# KiCad board usb_power_board.kicad_pcb (continued)
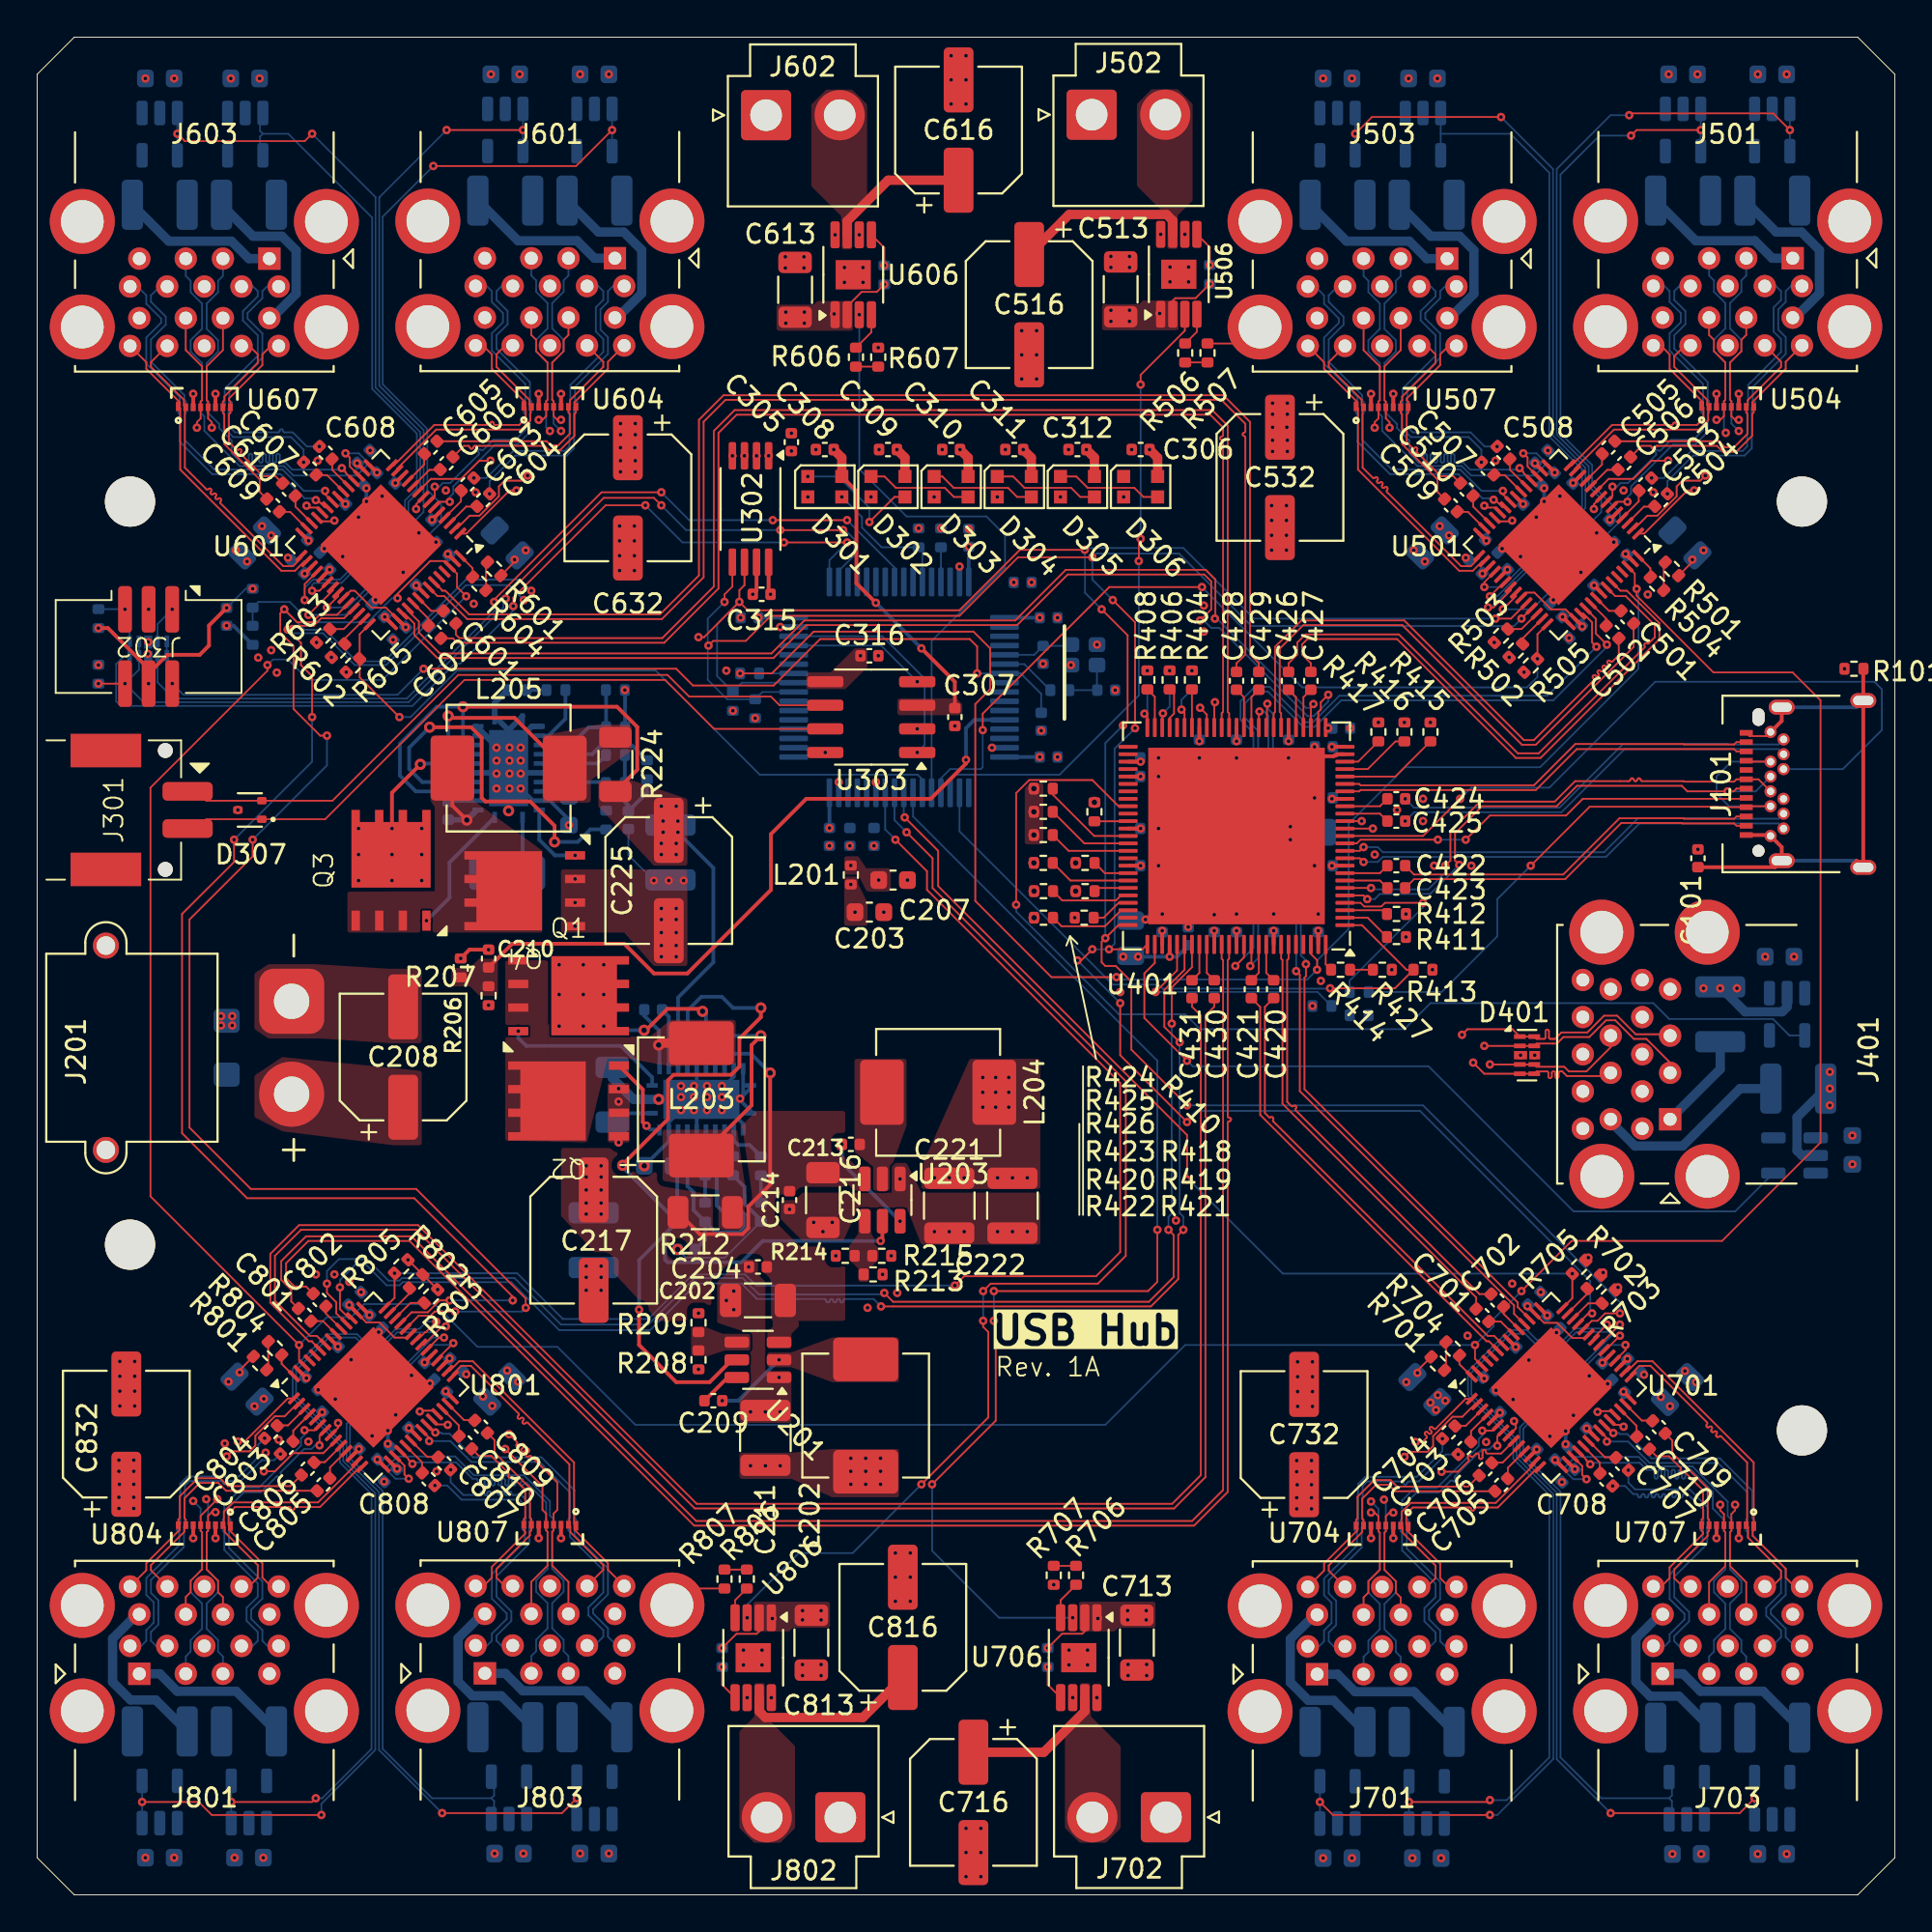
[diagram p0: board, top side]
## Routing (per net, layer and track width the routed paths; a pad name or vN(x,y) marks a point on that pad's centre or on a via; arc(x,y) is an arc through that point) (continued)
  Bottom w0.095: v1(16.3,32.7) 16.3,33.1 17.17,33.97 17.65,33.97 18.81,32.81 19.51,32.81 19.68,32.98 25.52,32.98 28.1,30.4 33,30.4 35.51,32.91 37.91,32.91 38.75,32.08 42.41,32.08 arc(42.46,32.05) 42.48,32 42.48,31.96 arc(42.5,31.91) 42.55,31.89 42.59,31.89 arc(42.64,31.91) 42.67,31.96 42.67,32 arc(42.69,32.05) 42.74,32.08 42.78,32.08 arc(42.83,32.05) 42.85,32 42.85,31.96 arc(42.87,31.91) 42.92,31.89 42.96,31.89 arc(43.01,31.91) 43.04,31.96 43.04,32 arc(43.06,32.05) 43.11,32.08 43.15,32.08 arc(43.2,32.05) 43.22,32 43.22,31.96 arc(43.24,31.91) 43.29,31.89 43.33,31.89 arc(43.38,31.91) 43.41,31.96 43.41,32 arc(43.43,32.05) 43.48,32.08 45.03,32.08 v1(45.43,31.67) ; v1(61.7,35.8) 61.7,36.5 61.5,36.7 v1(61.5,45.9)
/20gbps hub/D_{4}-: length 71.4
  Top w0.095: v1(15.6,32.9) 15.6,32.4 16.1,31.9 16.1,31.3 U801.46 ; U401.82 62.16,49.94 61.07,48.85 v1(61.07,46.9) ; v1(45.6,32.4) 46.07,31.92 59.85,31.92 61.18,33.25 61.18,35.53 v1(60.9,35.8)
  Bottom w0.095: v1(45.6,32.4) 45.53,32.33 38.85,32.33 37.98,33.2 35.4,33.2 32.9,30.7 28.2,30.7 25.7,33.2 19.63,33.2 19.49,33.06 18.91,33.06 17.75,34.22 16.25,34.22 15.6,33.58 v1(15.6,32.9) ; v1(61.07,46.9) 61.07,36.67 60.9,36.5 v1(60.9,35.8)
/20gbps hub/NRST: length 35
  Top w0.095: U401.1 71.31,52.2 73.71,49.8 R413.2 73.09,48.8 v1(69.6,48.8)
  Bottom w0.095: 49.65,59.25 49.65,57.25 57.9,49 60.37,49 60.58,48.78 69.58,48.78
/20gbps hub/PF3: length 2.1
  Top w0.095: U401.44 R404.2
/20gbps hub/PF4: length 2.4
  Top w0.095: v1(61.6,63.8) 61.76,63.64 U401.45
  Bottom w0.095: v1(61.6,63.8) 61.6,64.33 R405.2
/20gbps hub/PF6: length 2.2
  Top w0.095: R406.2 61.2,64.65 61.2,63.59 60.96,63.35 U401.47
/20gbps hub/PF7: length 2.2
  Top w0.095: U401.48 60.56,63.56
  Bottom w0.095: R407.2 60.96,63.96 v1(60.6,63.6)
/20gbps hub/PF8: length 2.2
  Top w0.095: U401.49 60.16,64.49 R408.2
/20gbps hub/PF9: length 2.2
  Top w0.095: U401.50 59.76,63.44 59.6,63.6
  Bottom w0.095: R409.2 59.76,63.74 v1(59.61,63.58)
/20gbps hub/PF18: length 1.8
  Top w0.095: U401.61 58.72,57.79 R410.2
/20gbps hub/PF20: length 4.4
  Top w0.095: R423.2 55.62,54.6 U401.69
/20gbps hub/PF21: length 2
  Top w0.095: U401.68 57.47,55 R418.2
/20gbps hub/PF22: length 1.9
  Top w0.095: U401.70 57.09,54.2 R419.2
/20gbps hub/PF23: length 4.4
  Top w0.095: R420.2 55.18,53.53 58.07,53.53 58.34,53.8 U401.71
/20gbps hub/PF24: length 2.2
  Top w0.095: U401.72 58.21,53.4 57.41,52.6 R421.2
/20gbps hub/PF25: length 4.6
  Top w0.095: U401.73 58.34,53 57.49,52.14 55.14,52.14 R422.2
/20gbps hub/PF30: length 2.7
  Top w0.095: U401.2 71.62,52.6 R411.2
/20gbps hub/PF31: length 2.3
  Top w0.095: R412.2 72.46,53 U401.3
/20gbps hub/PRT_CTL_{A}: length 59.6
  Top w0.095: U401.59 58.21,58.6 56.8,60.01 53.4,60.01 52.7,59.31 v1(52.7,53.3)
  Bottom w0.095: U402.4 94.32,46.26 93.44,47.15 87.85,47.15 87,48 75,48 73.6,46.6 62.6,46.6 61.8,47.4 58.23,47.4 52.7,52.93 v1(52.7,53.3)
/20gbps hub/PRT_CTL_{B}: length 43.3
  Top w0.095: 60.2,51.12 U401.77 60.16,50.16 59.6,49.6 59.6,47.2 v1(61.9,44.9)
  Bottom w0.095: v1(61.9,44.9) 62.2,44.6 74.9,44.6 82.71,36.79 91.4,36.79 U403.4
/20gbps hub/QTX_{1}+: length 2.1
  Top w0.095: U401.91 65.76,49.63 C421.2
/20gbps hub/QTX_{1}-: length 2.1
  Top w0.095: C420.2 66.16,49.63 U401.92
/20gbps hub/QTX_{2}+: length 2.2
  Top w0.095: U401.29 68.16,64.47 C427.2
/20gbps hub/QTX_{2}-: length 2.2
  Top w0.095: U401.30 67.76,64.47 C426.2
/20gbps hub/QTX_{3}+: length 2.2
  Top w0.095: C429.2 65.36,64.47 U401.36
/20gbps hub/QTX_{3}-: length 2.2
  Top w0.095: C428.2 64.96,64.47 U401.37
/20gbps hub/QTX_{4}+: length 2.1
  Top w0.095: C431.2 62.56,49.63 U401.83
/20gbps hub/QTX_{4}-: length 2.1
  Top w0.095: C430.2 62.96,49.63 U401.84
/20gbps hub/QUTX_{A}+: length 2.4
  Top w0.095: C423.2 72.28,54.6 U401.7
/20gbps hub/QUTX_{A}-: length 2.4
  Top w0.095: U401.8 72.28,55 C422.2
/20gbps hub/QUTX_{B}+: length 2.4
  Top w0.095: C425.2 72.28,58.2 U401.16
/20gbps hub/QUTX_{B}-: length 2.4
  Top w0.095: C424.2 72.28,58.6 U401.17
/20gbps hub/RX_{1}+: length 30
  Top w0.095: U401.32 66.96,63.61 66.89,63.68 66.89,67.08 68.16,68.35 73.49,68.35 79.93,61.91 80.67,61.91 85.94,67.18 C501.1
/20gbps hub/RX_{1}-: length 30
  Top w0.095: U401.33 66.56,63.61 66.64,63.68 66.64,67.18 68.05,68.6 73.59,68.6 80.03,62.16 80.57,62.16 83.78,65.37 arc(83.8,65.42) 83.78,65.48 83.75,65.51 arc(83.73,65.56) 83.75,65.61 83.78,65.64 arc(83.83,65.66) 83.88,65.64 83.91,65.61 arc(83.96,65.59) 84.02,65.61 84.04,65.63 arc(84.06,65.69) 84.04,65.74 84.01,65.77 arc(83.99,65.82) 84.01,65.87 84.04,65.9 arc(84.09,65.92) 84.14,65.9 84.17,65.87 arc(84.22,65.85) 84.28,65.87 84.3,65.9 arc(84.32,65.95) 84.3,66 84.27,66.03 arc(84.25,66.08) 84.27,66.14 84.3,66.16 arc(84.35,66.18) 84.4,66.16 84.43,66.13 arc(84.49,66.11) 84.54,66.13 84.56,66.16 arc(84.59,66.21) 84.56,66.26 84.53,66.29 arc(84.51,66.34) 84.53,66.4 84.56,66.42 arc(84.61,66.45) 84.66,66.42 84.7,66.39 arc(84.75,66.37) 84.8,66.39 85.14,66.73 C502.1
/20gbps hub/RX_{2}+: length 68.8
  Top w0.095: C601.1 22.54,67.84 22.73,67.65 33.65,67.65 36.43,70.42 36.43,78.8 37.55,79.92 63.25,79.92 64.09,79.09 64.09,63.68 64.16,63.61 U401.39
/20gbps hub/RX_{2}-: length 68.8
  Top w0.095: U401.40 63.76,63.61 63.84,63.68 63.84,78.24 arc(63.82,78.29) 63.76,78.32 63.75,78.32 arc(63.7,78.34) 63.68,78.39 63.68,78.43 arc(63.7,78.48) 63.75,78.5 63.76,78.5 arc(63.82,78.52) 63.84,78.57 63.84,78.99 63.15,79.67 37.65,79.67 36.68,78.7 36.68,70.32 33.75,67.4 22.62,67.4 22.39,67.64 C602.1
/20gbps hub/RX_{3}+: length 24
  Top w0.095: C701.1 77.46,32.16 67.04,42.59 67.04,50.32 66.96,50.39 U401.94
/20gbps hub/RX_{3}-: length 24
  Top w0.095: C702.1 77.64,32.34 67.75,42.22 arc(67.73,42.28) 67.75,42.33 67.77,42.34 arc(67.79,42.4) 67.77,42.45 67.74,42.47 arc(67.69,42.5) 67.63,42.47 67.62,42.46 arc(67.57,42.44) 67.52,42.46 67.29,42.69 67.29,50.32 67.36,50.39 U401.95
/20gbps hub/RX_{4}+: length 90.6
  Top w0.095: U401.86 63.76,50.39 63.84,50.32 63.84,21.79 62.17,20.12 35.47,20.12 20.15,35.45 14.47,35.45 13.14,34.12 13.14,33.11 13.68,32.57 13.68,31.95 C801.1
/20gbps hub/RX_{4}-: length 90.6
  Top w0.095: C802.1 14.48,32.75 13.85,32.75 13.4,33.2 13.4,34 14.6,35.2 20.05,35.2 35.37,19.88 62.28,19.88 64.09,21.69 64.09,41.57 arc(64.11,41.62) 64.16,41.65 64.19,41.65 arc(64.24,41.67) 64.27,41.72 64.27,41.76 arc(64.24,41.81) 64.19,41.83 64.16,41.83 arc(64.11,41.85) 64.09,41.91 64.09,50.32 64.16,50.39 U401.87
/20gbps hub/SMB-CLK: length 218.8
  Top w0.09: v1(85.2,31.3) 84.4,31.3 84,30.9 83.69,30.9 U701.38
  Top w0.095: U601.38 16.14,68.9 15.2,68.9 14.8,68.5 14,68.5 v1(13.3,69.2) 13.09,68.99 13.09,67.95 13.8,67.24 13.8,63.84 15.24,62.4 v1(15.6,62.4) ; v1(57.3,69.2) 58.7,67.8 58.7,63.2 v1(58.45,62.95) ; v1(56.39,72.41) 56.39,72.4 52.9,72.4 49.65,69.15 38.25,69.15 v1(37.8,69.6) ; v1(61.9,42.5) 58.9,45.5 58.9,49.16 58.06,50 57.5,50 57.3,50.2 57.3,51.3 v1(57.5,51.5) 58.2,52.2 U401.75 ; v1(37.8,69.6) 35.9,67.7 v1(35.6,67.7) ; v1(37.8,69.6) 37.8,70.22 38.07,70.5 U302.6 ; v1(22.5,31.4) 21.4,31.4 21.17,31.17 20.54,31.17 U801.38 ; U501.38 79.34,68.7 v1(78.5,68.7) ; v1(26.3,31.6) 26.3,32.1 20.4,38 11.5,38 8.2,41.3 8.2,52.5 11.6,55.9 v1(11.6,56.8)
  PWRB.Cu w0.095: v1(35.6,67.7) 35.6,68.4 33.8,70.2 v1(26.6,70.2)
  Bottom w0.095: v1(37.8,69.6) 36.6,68.4 36.6,65.61 R302.2 37.94,65.25 40.65,65.25 ; v1(26.3,31.6) 26.1,31.4 v1(22.5,31.4) ; v1(85.2,31.3) 85.2,31.9 74.6,42.5 v1(61.9,42.5) ; v1(11.6,56.8) 15.6,60.8 v1(15.6,62.4) ; v1(78.5,68.7) 65.5,68.7 61.7,72.5 56.49,72.5 v1(56.39,72.41) 56.4,72.4 56.4,70.1 v1(57.3,69.2) ; v1(57.5,51.5) 57.5,62 v1(58.45,62.95) ; v1(13.3,69.2) 14.4,68.1 15.5,68.1 17.2,66.4 18.68,66.4 23.08,70.8 26,70.8 v1(26.6,70.2)
/20gbps hub/SMB-DAT: length 216.6
  Top w0.09: v1(37,69.6) 37,70 37.43,70.42 U302.5 ; v1(56.8,72) 52.8,72 49.65,68.85 39.49,68.85 38.14,67.5 36.39,67.5 v1(36.14,67.25)
  Top w0.095: U601.39 16.52,68.72 15.28,68.72 14.88,68.32 13.68,68.32 v1(13.48,68.12) 14.2,67.4 14.2,66.2 14.8,65.6 v1(14.8,63.4) ; v1(56.8,50.9) 56.2,50.3 v1(56,50.3) ; U701.39 82.95,30.75 83.5,31.3 v1(83.7,31.3) ; v1(57.9,69.7) 59.1,68.5 v1(59.1,62.8) ; v1(61.9,41.6) 58.3,45.2 v1(58.3,48) ; v1(79.9,68.7) 80.45,69.25 U501.39 ; v1(22.2,32) 21.67,32 21.03,31.36 20.16,31.36 U801.39 ; U401.76 59.5,50.9 v1(57.7,50.9) ; v1(25.6,32) 25.6,32.2 20.3,37.5 11.3,37.5 7.8,41 7.8,52.8 10.6,55.6 v1(10.6,56.8)
  PWRB.Cu w0.095: v1(26.2,69.7) 26.5,69.4 33.1,69.4 35.25,67.25 v1(36.14,67.25)
  Bottom w0.09: 40.65,64.75 39.04,64.75 R303.2 38.64,64.35 37.15,64.35 36.1,65.4 36.1,67.21 v1(36.14,67.25) 36.1,67.29 36.1,68.1 ; 36.99,69.59 36.1,68.7
  Bottom w0.095: 36.1,68.1 36.1,68.7 ; v1(22.2,32) v1(25.6,32) ; v1(56.8,50.9) v1(57.7,50.9) 58,51.2 58,61.7 v1(59.1,62.8) ; v1(61.9,41.6) 61.9,41.7 62.4,42.2 74.44,42.2 83.6,33.04 83.6,31.4 v1(83.7,31.3) ; v1(10.6,56.8) 14.8,61 v1(14.8,63.4) ; v1(26.2,69.7) 25.4,70.5 23.08,70.5 18.78,66.2 17.1,66.2 15.39,67.91 13.69,67.91 v1(13.48,68.12) 13.7,67.9 ; v1(57.9,69.7) 56.8,70.8 v1(56.8,72) 57,72.2 61.46,72.2 65.36,68.3 79.5,68.3 v1(79.9,68.7) ; v1(58.3,48) v1(56,50.3)
/20gbps hub/TEST1: length 5.3
  Top w0.095: R424.2 54.67,59.23 56.9,57 U401.63
/20gbps hub/TEST2: length 4.8
  Top w0.095: U401.64 56.37,56.6 R425.2
/20gbps hub/TEST3: length 4.4
  Top w0.095: R426.2 55.52,56.2 U401.65
/20gbps hub/TX_{1}+: length 30.7
  Top w0.095: C427.1 68.56,66.3 68.09,66.77 68.09,67.31 68.38,67.6 73.2,67.6 79.6,61.2 80.93,61.2 87.32,67.59 87.32,68.45 85.58,70.2 85.23,70.2 U501.51
/20gbps hub/TX_{1}-: length 30.7
  Top w0.095: U501.50 84.95,69.91 85.51,69.91 87.07,68.35 87.07,67.7 86.74,67.37 arc(86.7,67.35) 86.65,67.37 arc(86.61,67.39) 86.56,67.37 86.52,67.33 arc(86.51,67.28) 86.52,67.24 arc(86.54,67.19) 86.52,67.15 80.83,61.45 79.7,61.45 73.3,67.85 68.27,67.85 67.84,67.41 67.84,66.77 67.36,66.3 C426.1
/20gbps hub/TX_{2}+: length 68.7
  Top w0.095: U601.51 21.8,70.23 21.8,70.2 21.98,70.2 23.25,68.92 33.53,68.92 35.62,71.03 35.62,79.4 36.95,80.72 63.85,80.72 65.29,79.29 65.29,66.77 65.76,66.3 C429.1
/20gbps hub/TX_{2}-: length 68.7
  Top w0.095: C428.1 64.56,66.3 65.04,66.77 65.04,78.46 arc(65.02,78.51) 64.97,78.53 arc(64.92,78.55) 64.9,78.6 64.9,78.64 arc(64.92,78.69) 64.97,78.71 arc(65.02,78.73) 65.04,78.78 65.04,79.19 63.75,80.47 37.05,80.47 35.88,79.3 35.88,70.92 33.63,68.67 23.15,68.67 21.91,69.91 21.55,69.91 U601.50
/20gbps hub/TX_{3}+: length 24.5
  Top w0.095: U701.51 78.15,29.8 78.02,29.8 65.84,41.99 65.84,47.8 C421.1
/20gbps hub/TX_{3}-: length 24.5
  Top w0.095: C420.1 66.09,47.8 66.09,42.09 66.31,41.86 arc(66.36,41.84) 66.4,41.86 arc(66.45,41.88) 66.49,41.86 66.53,41.82 arc(66.55,41.78) 66.53,41.73 arc(66.52,41.69) 66.53,41.64 78.09,30.09 78.43,30.09 U701.50
/20gbps hub/TX_{4}+: length 89.8
  Top w0.095: C431.1 62.17,47.81 62.64,47.33 62.64,22.59 61.1,21.05 35.5,21.05 20.5,36.05 14.1,36.05 12.55,34.5 12.55,31.87 14.62,29.8 14.8,29.8 14.8,29.77 U801.51
/20gbps hub/TX_{4}-: length 89.8
  Top w0.095: C430.1 63.36,47.81 62.89,47.33 62.89,41.9 arc(62.91,41.85) 62.96,41.83 arc(63.01,41.81) 63.03,41.76 63.03,41.71 arc(63.01,41.66) 62.96,41.64 arc(62.91,41.62) 62.89,41.57 62.89,22.49 61.2,20.8 35.4,20.8 20.4,35.8 14.2,35.8 12.8,34.4 12.8,31.98 14.69,30.09 15.05,30.09 U801.50
/20gbps hub/UD+: length 28.4
  Top w0.095: v1(76.56,55.44) 76.32,55.67 76.32,57.15 77.78,58.6 81.79,58.6 82.89,59.7 88.53,59.7 88.83,59.4 v1(91,59.4) 91.32,59.4 91.47,59.55 J101.A6 ; U401.5 71.4,53.8 v1(71.6,53.6)
  Bottom w0.095: J101.B6 92.51,59.4 v1(91,59.4) ; v1(76.56,55.44) 74.99,53.88 72.28,53.88 72,53.6 v1(71.6,53.6)
/20gbps hub/UD-: length 27.2
  Top w0.095: v1(75.8,55.4) 76.07,55.67 76.07,57.25 77.67,58.85 81.69,58.85 82.79,59.95 85.69,59.95 arc(85.74,59.97) 85.76,60.02 85.76,60.03 arc(85.79,60.08) 85.84,60.1 85.87,60.1 arc(85.93,60.08) 85.95,60.03 85.95,60.02 arc(85.97,59.97) 86.02,59.95 86.06,59.95 arc(86.11,59.97) 86.13,60.02 86.13,60.03 arc(86.16,60.08) 86.21,60.1 86.24,60.1 arc(86.3,60.08) 86.32,60.03 86.32,60.02 arc(86.34,59.97) 86.39,59.95 88.63,59.95 88.65,59.92 91.35,59.92 91.47,60.05 J101.A7 92.66,60.05 J101.B7 ; v1(71.8,54.2) U401.6
  Bottom w0.095: v1(75.8,55.4) 75.8,55.04 74.88,54.12 71.88,54.12 v1(71.8,54.2)
/20gbps hub/URX_{A}+: length 24.7
  Top w0.095: U401.10 71.2,55.8 v1(71.4,55.6)
  Bottom w0.095: J101.B11 93.74,57.67 86.25,57.67 84.45,55.88 72.44,55.88 72.17,55.6 71.4,55.6 v1(71.4,55.6)
/20gbps hub/URX_{A}-: length 24.7
  Top w0.095: U401.11 71.2,56.2 v1(71.4,56.4)
  Bottom w0.095: v1(71.4,56.4) 71.4,56.4 72.17,56.4 72.44,56.12 84.35,56.12 86.17,57.95 91.01,57.95 91.04,57.92 93.74,57.92 J101.B10
/20gbps hub/URX_{B}+: length 22.6
  Top w0.095: J101.A11 91.47,62.05 91.35,61.92 88.65,61.92 88.63,61.95 82.8,61.95 80.57,59.72 71.24,59.72 71.17,59.8 U401.20
/20gbps hub/URX_{B}-: length 22.6
  Top w0.095: J101.A10 91.47,61.55 91.35,61.67 82.88,61.67 80.68,59.47 71.24,59.47 71.17,59.4 U401.19
/20gbps hub/UTX_{A}+: length 19.9
  Top w0.095: C423.1 74.12,54.67 82.25,54.67 85.28,57.7 88.53,57.7 88.55,57.67 91.35,57.67 91.47,57.55 J101.A2
/20gbps hub/UTX_{A}-: length 19.9
  Top w0.095: C422.1 74.12,54.92 82.15,54.92 85.17,57.95 88.63,57.95 88.65,57.92 91.35,57.92 91.47,58.05 J101.A3
/20gbps hub/UTX_{B}+: length 22.1
  Bottom w0.095: J101.B2 93.74,61.92 91.04,61.92 91.01,61.95 85.37,61.95 81.95,58.53 74.12,58.53 v1(73.64,59)
/20gbps hub/UTX_{B}-: length 22.1
  Bottom w0.095: v1(73.64,57.8) 74.12,58.28 82.05,58.28 85.45,61.67 93.74,61.67 J101.B3
/20gbps hub/XD_{A}+: length 29.9
  Top w0.095: U401.14 v1(71.9,57.4) ; v1(76.7,46.3) 77,46.6 79.41,46.6 D401.1 D401.10 80.71,46.08 81.12,46.08 arc(81.17,46.1) 81.19,46.15 81.19,46.5 arc(81.22,46.55) 81.27,46.58 81.3,46.58 arc(81.36,46.55) 81.38,46.5 81.38,46.15 arc(81.4,46.1) 81.45,46.08 81.71,46.07 82.06,46.42 83.45,46.42 84.35,47.33 85.05,47.33 86.05,46.33 87.83,46.33 J401.3
  PWRB.Cu w0.095: v1(71.9,57.4) 72.05,57.55 72.67,57.55 73.68,56.55 73.68,54.95 74.35,54.28 76.35,54.28 76.88,53.75 76.88,46.47 v1(76.7,46.3)
/20gbps hub/XD_{A}-: length 30.1
  Top w0.095: J401.2 87.9,44.8 86.62,46.08 85.95,46.08 84.95,47.08 84.45,47.08 83.55,46.17 82.16,46.17 81.81,45.82 80.71,45.83 D401.9 D401.2 v1(77.9,45.7) ; U401.15 v1(71.3,57.8)
  PWRB.Cu w0.095: v1(77.9,45.7) 77.12,46.47 77.12,47.35 arc(77.15,47.4) 77.2,47.42 77.26,47.42 arc(77.31,47.44) 77.33,47.49 77.33,47.53 arc(77.31,47.58) 77.26,47.61 77.2,47.61 arc(77.15,47.63) 77.12,47.68 77.12,53.85 76.45,54.53 74.45,54.53 73.93,55.05 73.93,56.65 72.78,57.8 v1(71.3,57.8)
/20gbps hub/XD_{B}+: length 37.4
  Top w0.095: v1(78.2,44.7) D401.4 D401.7 80.71,44.57 82.2,44.57 82.45,44.33 83.4,44.33 84.7,45.63 J401.12 ; v1(62.6,63.9) 62.96,63.54 U401.42
  PWRB.Cu w0.095: v1(78.2,44.7) 77.88,44.38 76.4,44.38 arc(76.34,44.35) 76.32,44.3 76.32,44.21 arc(76.3,44.16) 76.25,44.14 76.21,44.14 arc(76.16,44.16) 76.14,44.21 76.14,44.3 arc(76.12,44.35) 76.06,44.38 75.27,44.38 68.28,51.37 68.28,53.15 62.72,58.7 62.72,60.8 62.96,61.03 62.96,62.37 62.72,62.6 62.72,63.78 v1(62.6,63.9)
/20gbps hub/XD_{B}-: length 37.5
  Top w0.095: U401.41 63.36,64.16 v1(63.4,64.2) ; v1(77.3,44.8) 77.9,44.2 D401.5 D401.6 80.71,44.32 81.27,44.32 arc(81.33,44.3) 81.35,44.25 81.35,44.04 arc(81.37,43.99) 81.42,43.97 81.46,43.97 arc(81.51,43.99) 81.53,44.04 81.53,44.25 arc(81.56,44.3) 81.61,44.32 81.64,44.32 arc(81.7,44.3) 81.72,44.25 81.72,44.04 arc(81.74,43.99) 81.79,43.97 81.83,43.97 arc(81.88,43.99) 81.9,44.04 81.9,44.25 arc(81.93,44.3) 81.98,44.32 82.1,44.32 82.35,44.08 84.53,44.08 J401.11
  PWRB.Cu w0.095: v1(77.3,44.8) 77.12,44.62 75.38,44.62 68.53,51.47 68.53,53.25 62.97,58.8 62.97,60.7 63.21,60.93 63.21,62.47 63,62.68 63,63.8 v1(63.4,64.2)
/Power Board/BOOT_{1V17}: length 5.4
  Bottom w0.2: v1(43.32,40.4) 43.32,39.39 v1(46.45,36.26)
/Power Board/BOOT_{3V3}: length 2.3
  Top w0.2: U201.6 37.17,27.85 C209.1
/Power Board/BOOT_{5V}: length 1.5
  Bottom w0.2: 23.58,58.9 22.19,58.9 C223.1
/Power Board/BOOT_{12V}: length 3.2
  Bottom w0.2: C212.1 34,47.28 34,44.62
/Power Board/CFG_{5V}: length 3.2
  Bottom w0.2: 27.17,62.4 27.53,62.4 28.44,63.3 R218.1
/Power Board/CFG_{12V}: length 2.2
  Bottom w0.2: R203.1 38.34,40.37 37.74,40.37 37.5,40.6 37.5,41.03
/Power Board/CFGM_{5V}: length 1.1
  Bottom w0.2: R218.2 R219.1
/Power Board/CFGM_{12V}: length 1.5
  Bottom w0.2: R203.2 R204.1
/Power Board/COMP_{5V}: length 6.2
  Bottom w0.2: 27.17,61.4 29.88,61.4 30.34,61.87 32.03,61.87 R216.2
/Power Board/COMP_{12V}: length 5.2
  Bottom w0.2: R201.2 36.58,37.11 36.58,40.12 36.5,40.2 36.5,41.03
/Power Board/FB_{5V}: length 3.6
  Bottom w0.2: R222.1 30.16,60.9 27.17,60.9
/Power Board/FB_{12V}: length 1.3
  Bottom w0.2: R210.1 35.96,40.98 36,41.03
/Power Board/FBM_{5V}: length 1.5
  Bottom w0.2: R222.2 R223.1
/Power Board/FBM_{12V}: length 1.5
  Bottom w0.2: R211.1 R210.2
/Power Board/HO_{5V}: length 7.1
  Bottom w0.2: v1(20.95,52.44) 22.2,53.69 22.2,55.57 U204.13
/Power Board/HO_{12V}: length 8.9
  Bottom w0.2: v1(25.9,46.5) 25.9,46.13 26.33,45.7 31.41,45.7 33.1,44.01 U202.13
/Power Board/IS_{5V}: length 10.4
  Top w0.2: L205.2 25.7,63.36 22.23,63.36 v2(22.13,63.45)
  Bottom w0.2: v2(22.13,63.45) 22.13,62.36 23.08,61.4 23.58,61.4
/Power Board/IS_{12V}: length 11.6
  Top w0.2: v2(38.96,46.24) 38.46,45.74 38.46,42.5 L203.2
  Bottom w0.2: v2(38.96,46.24) 36.96,46.24 36.5,45.79 36.5,44.62
/Power Board/LO_{5V}: length 3.9
  Bottom w0.2: v1(28.96,55.95) 27.87,55.95 27.03,56.8 U204.11
/Power Board/LO_{12V}: length 4.7
  Top w0.2: v1(32.8,41.4) 32.6,41.6 32.6,43.36 Q2.2
  Bottom w0.2: v1(32.8,41.4) 33,41.2 33.47,41.2 U202.11
/Power Board/PG_{5V}: length 21.3
  Top w0.2: v2(27.85,56.68) 27.85,57.55 26.55,58.86 24.13,58.86 23.93,59.06 23.93,62.29 23.36,62.86 v2(21.13,62.86)
  Bottom w0.2: v2(21.13,62.86) 20.03,61.75 20.03,60.61 20.73,59.9 23.58,59.9 ; v2(27.85,56.68) 29.1,56.68 29.78,57.36 30.62,57.36 R217.2
/Power Board/PG_{12V}: length 54.8
  Top w0.2: 31.46,39.24 31.46,39.26 33.96,41.76 33.96,43.84 34.26,44.14 37.36,44.14 37.8,44.59 37.8,46.09 38.96,47.24 v2(38.96,47.74) ; U201.5 37.4,28.8 36.2,27.6 34.4,27.6 32.4,29.6 v1(32.4,31.5) ; v1(45.4,35.2) 45.5,35.3 U203.5
  Bottom w0.2: R202.2 32.4,34.18 v1(32.4,31.5) ; R202.2 31.52,39.17 v2(31.52,39.27) ; R202.2 33.8,35.58 33.8,34.2 33.94,34.06 37.92,34.06 39.06,35.2 v1(45.4,35.2) ; 35,44.62 35.02,44.63 35.02,47.61 35.75,48.34 36.86,48.34 37.46,47.74 v2(38.96,47.74)
/Power Board/RT_{5V}: length 5.9
  Bottom w0.2: 27.17,61.9 28.74,61.9 29.69,62.86 R221.1 30.63,64.84 R220.1
/Power Board/RT_{12V}: length 1.5
  Bottom w0.2: R205.1 37,40.21 37,41.03
/Power Board/SW_{3V3}: length 4
  Bottom w0.2: v1(36.88,26.6) 37.74,26.6 v1(39.94,28.8)
/Power Board/SW_{5V}: length 4.9
  Top w0.2: v2(23.13,57.86) 22.35,58.63 L205.1
  Bottom w0.3: 23.58,58.4 23.58,58.31 v2(23.13,57.86) 23.11,57.88 C223.2
/Power Board/SW_{12V}: length 5.7
  Top w0.5: v2(33.46,45.74) 33.56,45.85 L203.1
  Bottom w0.2: C212.2 32.68,47.32 33.46,46.54 v2(33.46,45.74) 33.5,45.7 33.5,44.62
/STM Memory/ARGB_{0}: length 7.5
  Bottom w0.095: v1(43.31,75.25) 44.4,74.16 44.4,73.6 45.46,72.54 R301.2 47.65,72.34 47.65,70.75
/STM Memory/ARGB_{1}: length 7.3
  Top w0.095: v1(44.8,73.9) 46.15,75.25 D302.3
  Bottom w0.095: v1(44.8,73.9) 44.8,74.67 43.12,76.35 v1(41.49,76.35)
/STM Memory/ARGB_{2}: length 5.7
  Top w0.095: 44.88,76.35 45.62,76.35 46.23,75.74 48.86,75.74 49.35,75.25 50.12,75.25
/STM Memory/ARGB_{3}: length 5.7
  Top w0.095: D304.3 52.75,75.25 52.26,75.74 49.34,75.74 48.73,76.35 D303.1
/STM Memory/ARGB_{4}: length 5.7
  Top w0.095: D304.1 52.54,76.35 53.15,75.74 55.66,75.74 56.15,75.25 D305.3
/STM Memory/ARGB_{5}: length 5.7
  Top w0.095: D305.1 55.94,76.35 56.55,75.74 59.06,75.74 59.55,75.25 D306.3
/STM Memory/BOOT: length 1.8
  Bottom w0.095: 48.65,70.75 R308.1
/STM Memory/CAN_RX: length 7.5
  Bottom w0.095: v1(47.38,65.31) 45.43,67.25 40.65,67.25
/STM Memory/CAN_TX: length 12.2
  Bottom w0.095: 40.65,67.75 45.49,67.75 47.77,65.47 47.77,61.89 v1(47.38,61.5)
/STM Memory/CANH: length 38.2
  Top w0.09: 8.6,57.4 9.1,57.9 D307.1 15.5,57.9 23,65.4 33.8,65.4 36.44,62.77 U303.7
/STM Memory/CANL: length 37.5
  Top w0.09: U303.6 39.97,64.03 39.5,64.5 35.1,64.5 33.93,65.67 22.67,65.67 15.9,58.9 D307.2 9.1,58.9 8.6,59.4
/STM Memory/DBG.NRST: length 54.6
  Top w0.095: v1(20.8,66) 34.4,66 35.3,65.1 39.65,65.1 42.15,67.6 50.2,67.6 50.6,67.2 v1(50.6,65.75)
  Bottom w0.09: v1(7.27,65.2) 7.27,65.27 ; 6.98,66.12 D308.5
  Bottom w0.095: v1(50.6,65.75) 52.95,65.75 54.05,64.65 C304.2 ; 6.98,66.12 6.98,65.49 7.87,64.6 19.4,64.6 v1(20.8,66)
/STM Memory/DBG.SWCLK: length 52.1
  Top w0.09: v1(40,73.47) 43.07,73.47 v1(43.39,73.47) ; v1(33.6,74.8) 33.2,75.2 30.5,75.2 25.22,69.92 v1(25.22,69.78)
  Top w0.095: v1(3.3,65.2) v1(4.73,65.2)
  Bottom w0.09: v1(33.6,74.8) 34.93,73.47 v1(40,73.47) ; v1(43.39,73.47) 43.42,73.5 43.46,73.5 44,72.96 44,72.12 43.15,71.27 43.15,70.75 ; v1(25.22,69.78) 25.1,69.66 25.1,69.3 20,64.2 5.73,64.2 v1(4.73,65.2) 5.48,65.95 D308.9 D308.2
/STM Memory/DBG.SWDIO: length 54.6
  Top w0.09: v1(32.74,74.8) 30.6,74.8 25.63,69.83 v1(25.63,69.37) ; v1(40.2,72.8) v1(43.6,72.8)
  Bottom w0.09: v1(4.73,69.2) 4.98,68.95 D308.1 D308.10 4.7,66.7 4.25,66.25 4.25,64.25 4.5,64 20.2,64 22.48,66.28 22.78,66.28 25.63,69.13 v1(25.63,69.37) ; v1(32.74,74.8) 34.74,72.8 v1(40.2,72.8) ; v1(43.6,72.8) 42.65,71.85 42.65,70.75
  Bottom w0.095: R309.2 4.72,69.21 v1(4.73,69.2)
/STM Memory/DBG.SWO: length 51.6
  Top w0.09: v1(33.6,75.5) 30.38,75.5 24.6,69.72 v1(24.6,69.6)
  Top w0.095: v1(39.6,74) v1(43.6,74)
  Bottom w0.09: v1(7.27,69.2) 6.48,68.41 6.48,65.27 7.35,64.4 19.9,64.4 24.6,69.1 v1(24.6,69.6)
  Bottom w0.095: 46.15,70.75 46.15,71.45 v1(43.6,74) ; v1(33.6,75.5) 35.1,74 v1(39.6,74)
/STM Memory/KOCP_{1}: length 34.3
  Top w0.095: v1(59.3,71.8) 59.3,71.8 59.3,72.8 59.4,72.9 v1(59.4,73) ; U506.3 61.78,84.2 59.4,81.82 v1(59.4,81.3)
  Bottom w0.095: v1(59.3,71.8) 59.3,71.8 59.3,64.57 55.04,60.3 49.35,60.3 49.15,60.1 U301.19 ; v1(59.4,73) v1(59.4,81.3)
/STM Memory/KOCP_{2}: length 33.2
  Bottom w0.09: 45.9,75.1 46.8,74.2 51.1,74.2 52.1,73.2 52.1,71.45 48.15,67.5 48.15,59.25
  Bottom w0.095: v1(44.25,85.06) 44.25,76.75 45.9,75.1
/STM Memory/KOCP_{3}: length 65.2
  Top w0.095: v1(48.18,22.1) 51.6,25.52 51.6,30.8 v1(51.5,30.9) ; v1(60.3,35.8) 60.3,33 59.8,32.5 v1(51.5,32.5)
  Bottom w0.095: v1(48.18,22.1) 48.18,18.52 51.78,14.92 v1(55.75,14.92) ; 47.15,59.25 47.15,58.05 60.3,44.9 v1(60.3,35.8) ; v1(51.5,30.9) v1(51.5,32.5)
/STM Memory/KOCP_{4}: length 63.2
  Top w0.095: v1(46.8,57.2) 48.2,55.8 48.2,54.2 58.6,43.8 58.6,34.4 57.1,32.9 51.32,32.9 v1(50.92,32.5) ; v1(50.92,30.9) 50.92,30.58 51.2,30.3 51.2,25.7 v1(47.6,22.1)
  Bottom w0.095: 46.15,59.25 46.15,57.85 v1(46.8,57.2) ; v1(47.6,22.1) 43.9,18.4 41,18.4 38.22,15.62 v1(38.22,14.91) ; v1(50.92,32.5) v1(50.92,30.9)
/STM Memory/MCO_UT: length 1.8
  Bottom w0.095: 40.65,65.75 R305.1
/STM Memory/NRST_{1}: length 44.4
  Top w0.095: v1(50.9,62.7) 50.9,63.58 57.72,70.4 v1(62.7,70.4) ; U501.42 80.76,67.86 v1(80.76,66.54)
  Bottom w0.09: U301.20 48.65,60.1 49.15,60.6 50.8,60.6 50.9,60.7 v1(50.9,62.7)
  Bottom w0.095: v1(80.76,66.54) 80.76,65.56 80.2,65 68.1,65 v1(62.7,70.4)
/STM Memory/NRST_{2}: length 38.5
  Top w0.095: U601.42 17.36,67.86 R605.1 17.36,65.54 v1(19.5,63.4)
  Bottom w0.095: v1(19.5,63.4) 20.1,63.4 22.6,65.9 33.3,65.9 38.9,60.3 47.4,60.3 47.65,60.05 47.65,59.25
/STM Memory/NRST_{3}: length 52
  Top w0.095: U701.42 82.64,32.12 v1(82.64,33.44) ; v1(61.9,38.5) 61.9,40.9 48.5,54.3 48.5,56.2 v1(46.7,58)
  Bottom w0.095: 46.65,59.25 46.65,58.15 46.7,58.1 v1(46.7,58) ; v1(61.9,38.5) 62,38.5 67.06,33.44 v1(82.64,33.44)
/STM Memory/NRST_{4}: length 74.1
  Top w0.095: v1(46.2,56.8) 47.9,55.1 47.9,54.1 58.3,43.7 58.3,34.6 57,33.3 49.9,33.3 v1(49.4,32.8) ; v1(19.24,33.46) 19.24,32.14 U801.42
  Bottom w0.095: v1(46.2,56.8) 45.65,57.35 45.65,59.25 ; v1(49.4,32.8) 49.4,32.8 38.7,32.8 38.1,33.4 35.3,33.4 32.9,31 28.3,31 25.84,33.46 v1(19.24,33.46) 19.3,33.4
/STM Memory/OSC_IN: length 3.7
  Bottom w0.095: Y301.1 55.58,67.23 C302.2 53.67,66.75 52.15,66.75
/STM Memory/OSC_OUT: length 3
  Bottom w0.095: R307.2 53.14,66.25 52.15,66.25
/STM Memory/OUT_OUT_R: length 2.9
  Bottom w0.095: Y301.3 57.05,64.87 C303.2 R307.1
/USB Hub 1/BIAS: length 1.4
  Top w0.095: U501.56 86.84,71.41 R504.2
/USB Hub 1/BIASM: length 1.6
  Top w0.095: R504.1 87.56,71.66 R501.2
/USB Hub 1/CTL1: length 40.3
  Top w0.09: v1(89.55,95) 86.1,95 v1(85.8,94.7) ; U501.36 79.6,69.9 v1(78.9,69.2)
  Bottom w0.09: v1(85.8,94.7) 84.1,94.7 82,92.6 82,78.67 83.7,76.96 83.7,75.9 85.2,74.4 85.2,73.93 80.47,69.2 v1(78.9,69.2) ; U502.4 v1(89.55,95) U502.3
/USB Hub 1/CTL2: length 45.8
  Top w0.09: 85.7,95.9 93.45,95.9 v1(94.35,95) ; v1(78.1,69.3) 78.4,69.3 79.32,70.22 U501.35
  Bottom w0.09: v1(85.7,95.8) 84.7,95.8 81.8,92.9 81.8,78.61 83.52,76.89 83.52,75.82 84.2,75.15 84.2,74.44 82.46,72.7 81.65,72.7 78.25,69.3 v1(78.1,69.3) ; U503.4 v1(94.35,95) U503.3
/USB Hub 1/CTL3: length 41.7
  Top w0.09: U501.34 78.96,70.66 v1(78.2,69.9) ; v1(78.8,95.7) 71.85,95.7 v1(70.95,94.8)
  Bottom w0.09: v1(78.8,95.7) 81.6,92.9 81.6,78.56 83.34,76.81 83.34,74.65 78.6,69.9 v1(78.2,69.9) ; U508.3 v1(70.95,94.8) U508.4
